# Altium PCB PCB1.PcbDoc (part 2 of 5) (continued)
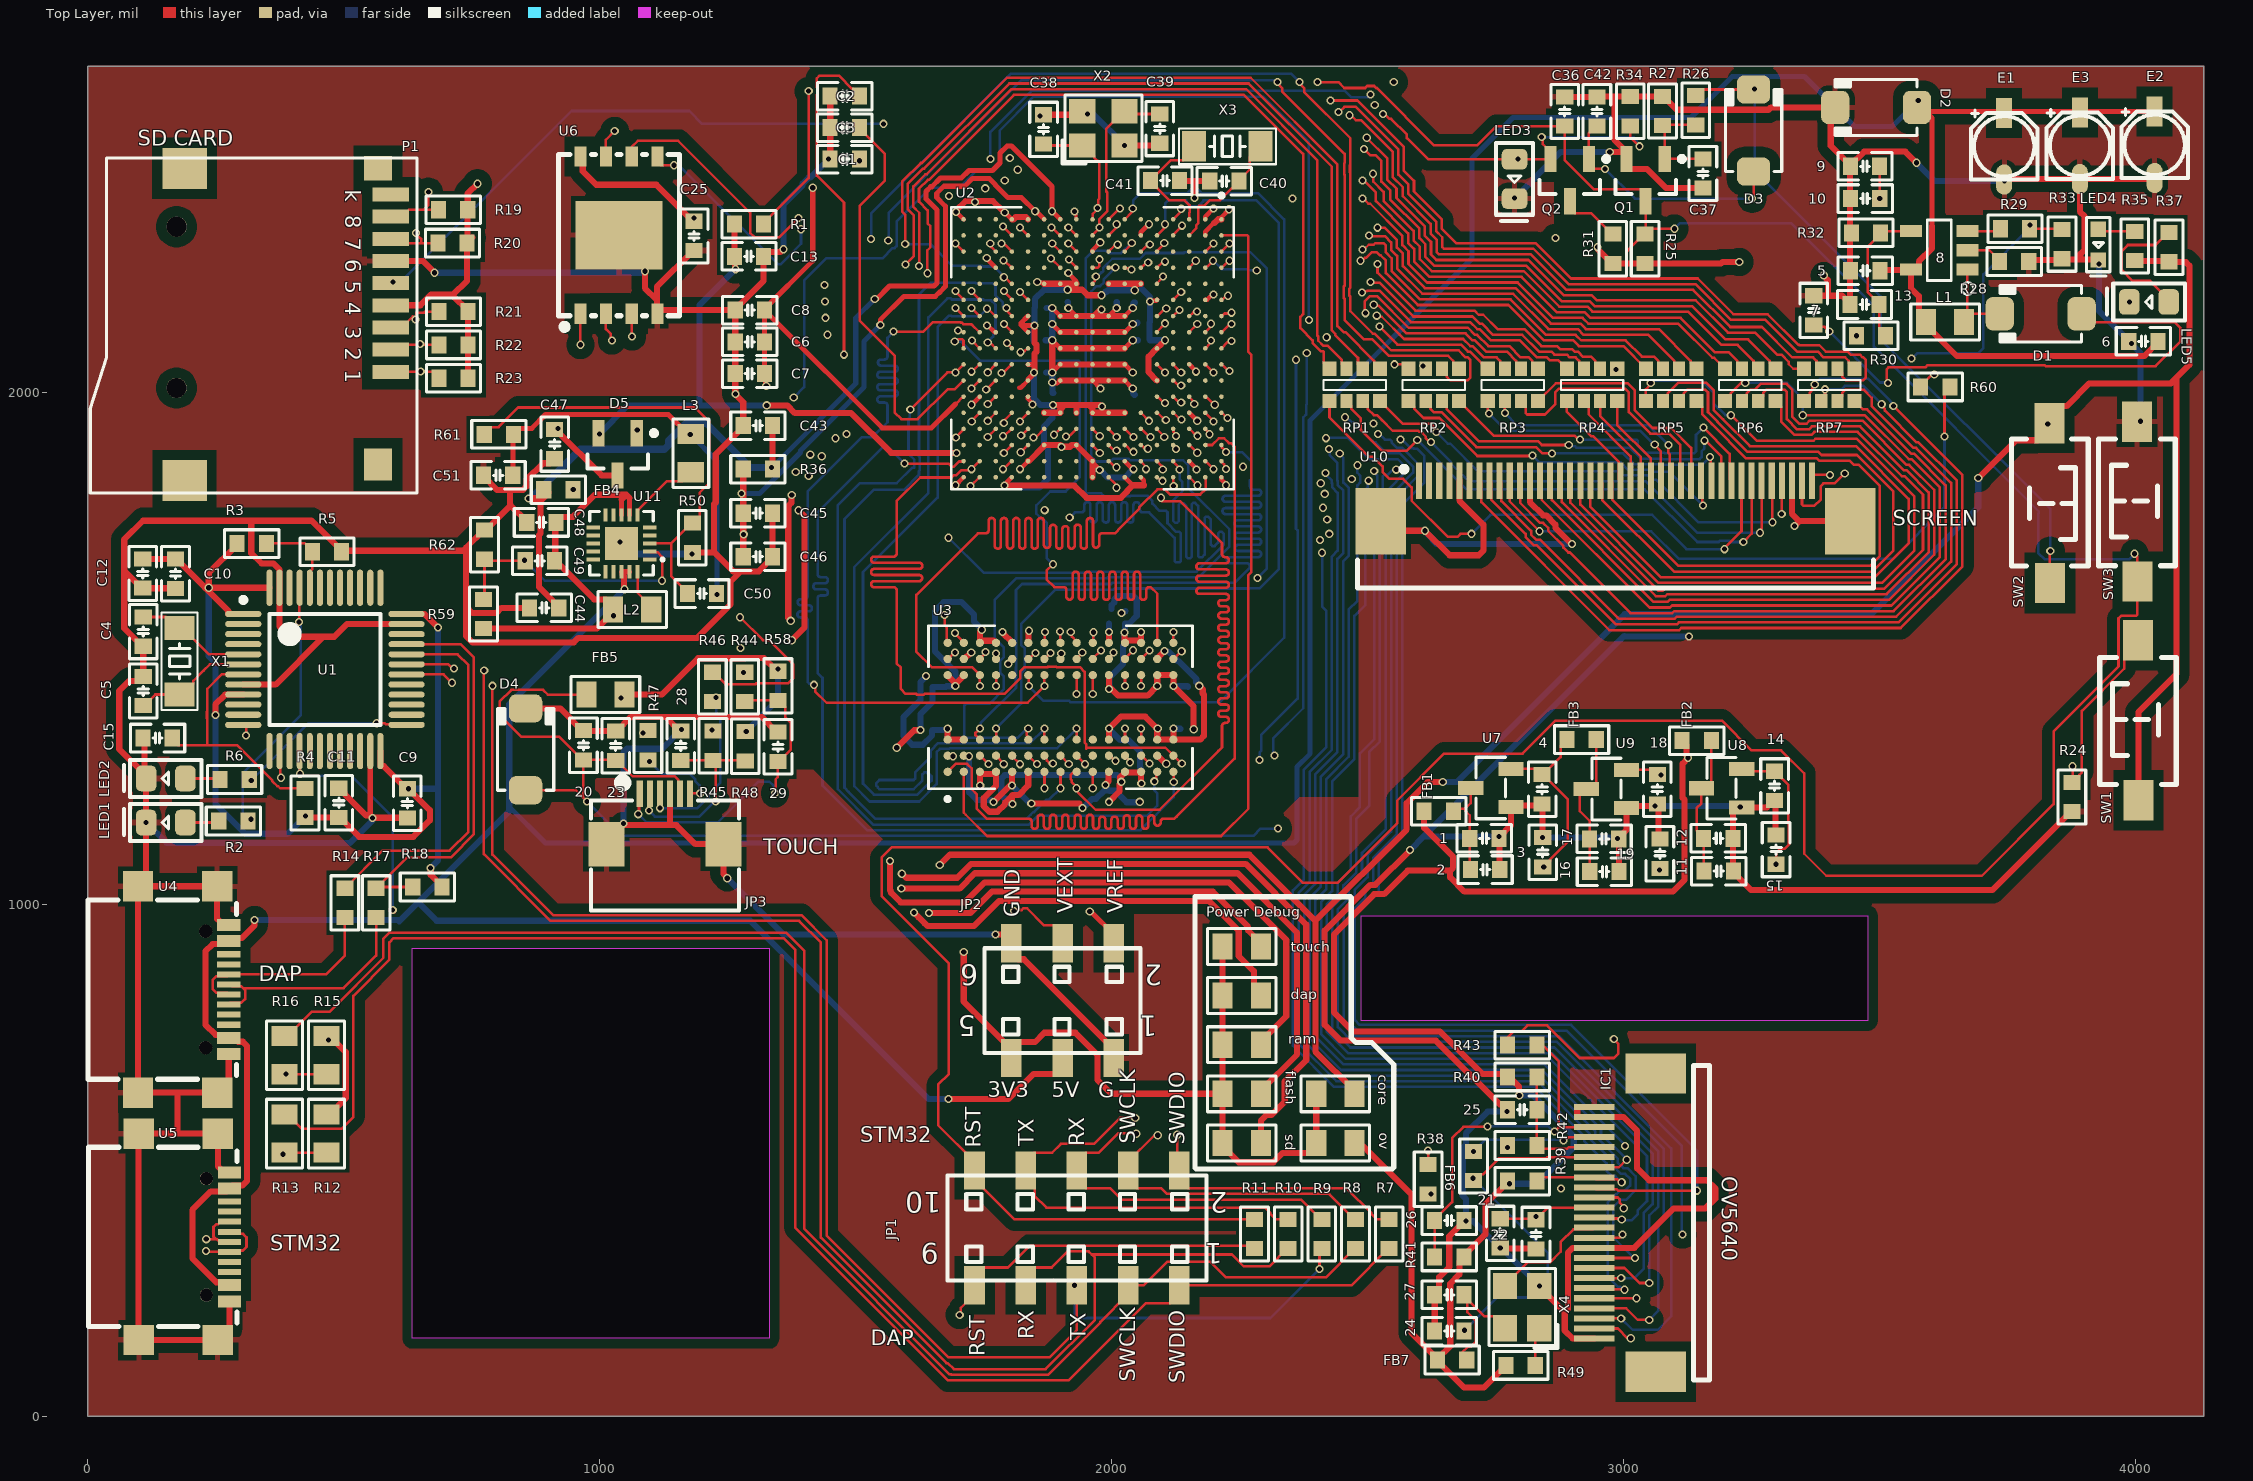
[diagram p0: Top Layer view]
## Nets (pads, with @x,y where several pads share a name; then routed paths per layer and width w, separated by ;. In a path a pad name is that pad's centre, name@x,y a point inside that pad or via, vN(x,y) a via of type N, cw(c..) or ccw(c..) an arc to the next point about the centre after c; other vN are vias at no path point) (continued)
"FMC_A1 / PF1": U2.G3 U3.G9 | length 1755.7
  Top Layer w5: U3.G9@1868.5,1510.98 1869,1511.48 1869,1531.56 v1(1869.5,1532.06) ; U2.G3@2025.47,2275.47 2025.47,2276.52 2039.1,2290.14 v1(2039.1,2292)
  Layer 2 w5: v1(1869.5,1532.06) 1869.5,1533.05 1884.95,1548.5 1904.5,1548.5 1927,1571 1927,1729.56 1917.89,1738.67 1917.89,1753.89 v1@1918,1754
  Bottom Layer w5: v1(1917.89,1755.65) 1928.24,1766 1938,1766 1940.5,1766 ccw(c1940.5,1772) 1946.5,1772 1946.5,1780 cw(c1952.5,1780) 1958.5,1780 1958.5,1752 ccw(c1964.5,1752) 1970.5,1752 1970.5,1780 cw(c1976.5,1780) 1982.5,1780 1982.5,1752 ccw(c1988.5,1752) 1994.5,1752 1994.5,1780 cw(c2000.5,1780) 2006.5,1780 2006.5,1752 ccw(c2012.5,1752) 2018.5,1752 2018.5,1780 cw(c2024.5,1780) 2030.5,1780 2030.5,1752 ccw(c2036.5,1752) 2042.5,1752 2042.5,1780 cw(c2048.5,1780) 2054.5,1780 2054.5,1772 ccw(c2060.5,1772) 2060.5,1766 2073,1766 2123,1716 2123,1671.21 2125.93,1668.28 2132.07,1668.28 2135,1671.21 2135,1725.07 2132.07,1728 2126,1728 2109,1745 2109,1766.07 2106.07,1769 2093.67,1769 2079.62,1783.04 2079.62,1788.38 2070,1798 2037,1798 2036.5,1797.5 1985.07,1797.5 1979.57,1803 1949,1803 1949,2262 1963.76,2276.76 1988.96,2276.76 1993.33,2272.39 2018.54,2272.39 2038.15,2292 v1(2039.1,2292)
"FMC_A2 / PF2": U2.G1 U3.F7 | length 1774.9
  Top Layer w5: U3.F7@1837.01,1447.99 1837.75,1447.25 1837.75,1427.67 v1(1838.5,1426.92) ; U2.G1@2025.47,2338.46 2039.12,2352.11 2039.12,2357.4 v1(2041.22,2359.5)
  Bottom Layer w5: v1(1838.5,1426.92) 1838.5,1425.43 1866.46,1397.46 1916.88,1397.46 1918.99,1395.35 2211.35,1395.35 2337,1521 2337,2338.27 2285.6,2389.67 2175.66,2389.67 2168.83,2396.5 2155.17,2396.5 2148.34,2389.67 2056.67,2389.67 2042,2375 2042,2360.28 v1(2041.22,2359.5)
"FMC_A3 / PF3": U2.H4 U3.F3 | length 1797.4
  Top Layer w5: U3.F3@1837.01,1322.01 1834.88,1324.14 1834.88,1329.85 1834.22,1330.51 1834.22,1337.74 1837.02,1340.54 v1(1837.01,1343.5) ; U2.H4@1993.98,2243.98 v1(2007.04,2244.01)
  Bottom Layer w5: v1(1837.01,1343.5) 1834.48,1343.47 1816.2,1325.2 1714.96,1325.2 1712.03,1328.12 1712.03,1389.04 1714.96,1391.97 1761.04,1391.97 1789.52,1420.44 1789.52,1444.93 1782.5,1451.95 1782.5,1476.45 1789.52,1483.47 1789.52,1501.85 1771.27,1520.1 1771.27,1594.8 1813.46,1637 1990.75,1637 1992.95,1639.2 2170.23,1639.2 2229.99,1698.96 2229.99,1732.95 2149.21,1813.73 2149.21,1858.01 2139.53,1867.69 2035.89,1867.69 2033.08,1870.5 2002.66,1870.5 1997.43,1865.27 1969.66,1865.27 1960.03,1874.91 1960.03,2197.81 1970.02,2207.8 1977.3,2207.8 1984.64,2215.14 1984.64,2221.54 v1@2007.07,2243.97
"FMC_A4 / PF4": U2.J5 U3.G1 | length 1810.1
  Top Layer w5: U3.G1@1868.75,1259.01 1868.75,1227.13 v1(1869,1226.88) ; U2.J5@1962.48,2212.48 1962.48,2213.52 1966.87,2217.91 1966.87,2224.62 v1(1968.97,2226.73)
  Layer 1 w5: v1(1869,1226.88) 1871.98,1226.88 1880.65,1218.2 1885.78,1218.2 1892.6,1211.38 1983.96,1211.38 1988.48,1215.91 2169.56,1215.91 2208.23,1254.58 2277.55,1323.9 2277.55,1628.81 2284.83,1636.09 v1(2284.83,1637.91)
  Bottom Layer w5: v1(1968.97,2226.73) 1971.95,2226.73 1979.83,2234.6 1980.7,2234.6 1983.62,2237.53 1983.62,2243.92 2001.09,2261.39 2054.98,2261.39 2066.26,2272.66 2140.33,2272.66 2141.75,2274.08 2270.92,2274.08 2303,2242 2303,1656.18 2284.83,1638.01 v1(2284.83,1637.91)
"FMC_A5 / PF5": U2.J4 U3.G2 | length 1786.9
  Top Layer w5: U3.G2@1868.5,1290.51 1868.5,1287.5 1873.16,1282.84 1873.16,1280.94 1877,1277.1 1882.9,1277.1 v1(1885,1275) ; U2.J4@1962.48,2243.98 1973.15,2243.98 1976.08,2246.91 v1@1976.08,2260.25
  Layer 2 w5: v1(1885,1275) 1899,1289 1908.77,1289 1909.77,1290 1930.92,1290 1978.5,1337.58 1978.5,1349.43 2002.23,1373.17 2119.17,1373.17 2125,1379 2125,1385.07 2127.93,1388 2133.07,1388 2136,1385.07 2136,1379 2141.83,1373.17 2147.07,1373.17 2150,1376.09 2150,1386 2152.93,1388.93 2157.07,1388.93 2162,1384 2162,1377.93 2164.93,1375 2189,1375 2208.23,1394.23 2284,1470 2284,1610 2268.33,1625.67 2268.33,1741.94 2321,1794.61 2321,2150.67 2262.2,2209.47 2262.2,2231.47 2260.5,2233.17 2260.5,2287.41 2238.41,2309.5 1998.11,2309.5 1995.18,2306.57 1995.18,2282.06 1995.63,2281.6 1995.63,2271.49 1992.1,2267.95 1986.76,2267.95 1979.07,2260.26 v1(1976.09,2260.26)
"FMC_A6 / PF12": U2.R7 U3.G3 | length 1799.5
  Top Layer w5: v1(1756.5,2163.73) 1758.22,2163.73 1772.46,2149.49 U2.R7@1773.5,2149.49 ; U3.G3@1868.5,1322.01 v1(1868.5,1343.5)
  Bottom Layer w5: v1(1756.5,2163.73) 1756.25,2163.73 1741.26,2148.74 1687.93,2148.74 1686.4,2150.26 1682.26,2150.26 1660,2128 1660,1795 1514.07,1649.07 1514.07,1235.93 1535.53,1214.47 1620.47,1214.47 1648,1242 1648,1250.07 1645.07,1253 1643,1253 1638.07,1257.93 1633.93,1257.93 1630,1254 1630,1242 1613,1225 1591.77,1225 1545.93,1225 1543,1227.93 1543,1229.14 1539.64,1232.5 1539.64,1236.64 1546,1243 1591.77,1243 1613.07,1243 1616,1245.93 1616,1258 1646.53,1288.53 1646.53,1300.53 1661.06,1315.06 1840.49,1315.06 1868.5,1343.08 v1(1868.5,1343.5)
"FMC_A7 / PF13": U2.P7 U3.H1 | length 1800.8
  Top Layer w5: v1(1794.5,2165.24) 1796.6,2163.13 1796.6,2157.96 1805,2149.57 U2.P7@1805,2149.49 ; v1(1900,1226.88) U3.H1@1900,1259.02
  Bottom Layer w5: v1(1794.5,2165.24) 1792.4,2167.34 1787.4,2167.34 1787.4,2175.5 1773,2189.9 1773,2208 1767.77,2213.23 1734.6,2213.23 1733.09,2214.74 1646.74,2214.74 1623.5,2191.5 1623.5,1875.34 1625.21,1873.63 1625.21,1848.37 1623.5,1846.66 1623.5,1839.5 1594,1810 1535,1810 1478,1753 1478,1228 1486,1220 1486,1219.56 1538.56,1167 1833.44,1167 1841.64,1175.2 1846.77,1180.32 1848.24,1180.32 1872.57,1204.65 1877.77,1204.65 v1(1900,1226.88)
"FMC_A8 / PF14": U2.P8 U3.H2 | length 1824.1
  Top Layer w5: v1(1789.5,2133.74) 1789.5,2133.62 1805,2118.12 U2.P8@1805,2117.99 ; U3.H2@1900,1290.51 1900.09,1290.51 1916.1,1274.5 v1(1916.19,1274.5)
  Layer 1 w5: v1(1789.5,2133.74) 1776.01,2147.23 1734.6,2147.23 1733.09,2148.74 1686,2148.74 1674,2160.74 1674,2206.07 1671.07,2209 1624,2209 1614.5,2209 cw(c1614.5,2215) 1608.5,2215 1608.5,2223 ccw(c1602.5,2223) 1596.5,2223 1596.5,2195 cw(c1590.5,2195) 1584.5,2195 1584.5,2223 ccw(c1578.5,2223) 1572.5,2223 1572.5,2195 cw(c1566.5,2195) 1560.5,2195 1560.5,2223 ccw(c1554.5,2223) 1548.5,2223 1548.5,2215 cw(c1542.5,2215) 1542.5,2209 1540,2209 1518.93,2209 1516,2206.07 1516,1390 1557,1349 1594,1349 1680.5,1262.5 1690.56,1262.5 1694.56,1258.5 1900.5,1258.5 1916.19,1274.19 v1(1916.19,1274.5)
"FMC_A9 / PF15": U2.R9 U3.J3 | length 1792.7
  Top Layer w5: v1(1757.76,2097.73) 1759.86,2095.63 1764.37,2095.63 U2.R9@1773.5,2086.5 ; U3.J3@1931.5,1322.01 v1(1931.5,1343.5)
  Bottom Layer w5: v1(1757.76,2097.73) 1757.76,2098.71 1768.23,2109.18 1768.23,2112.72 1773,2117.49 1773,2171.82 1764.59,2180.23 1750.92,2180.23 1749.42,2181.74 1687.93,2181.74 1685.67,2184 1679,2184 1642,2147 1642,1804 1497,1659 1497,1231 1527,1201 1591.77,1201 1624,1201 1658,1235 1658,1297.86 1664.2,1304.06 1682.55,1304.06 1683.55,1305.06 1893.48,1305.06 1931.5,1343.08 v1(1931.5,1343.5)
"FMC_A10 / PG0": U2.T8 U3.G7 | length 1781.5
  Top Layer w5: v1(1418.5,1429) 1420.6,1426.9 1420.6,1416.4 1443,1394 1835.58,1394 v1(1868.5,1426.92) 1868.5,1433.88 U3.G7@1868.5,1447.99 ; v1(1574,2119) 1632.13,2119 1650.66,2137.53 1704.19,2137.53 1705.16,2136.56 1707.39,2136.56 1710.76,2133.19 1725.31,2133.19 1726.26,2132.24 1727.01,2132.24 1741.26,2117.99 U2.T8@1742.01,2117.99
  Bottom Layer w5: v1(1418.5,1429) 1416.4,1431.1 1409.17,1431.1 1406,1434.28 1406,1552 1406,1554.5 ccw(c1400,1554.5) 1400,1560.5 1392,1560.5 cw(c1392,1566.5) 1392,1572.5 1408.44,1572.5 ccw(c1408.44,1578.5) 1408.44,1584.5 1392.55,1584.5 cw(c1392.55,1590.5) 1392.55,1596.5 1400,1596.5 ccw(c1400,1602.5) 1406,1602.5 1406,1691 1406,1807 1512,1913 1533,1913 1562,1942 1562,1972 1562,1974.5 ccw(c1556,1974.5) 1556,1980.5 1548,1980.5 cw(c1548,1986.5) 1548,1992.5 1576,1992.5 ccw(c1576,1998.5) 1576,2004.5 1548,2004.5 cw(c1548,2010.5) 1548,2016.5 1576,2016.5 ccw(c1576,2022.5) 1576,2028.5 1548,2028.5 cw(c1548,2034.5) 1548,2040.5 1576,2040.5 ccw(c1576,2046.5) 1576,2052.5 1549.44,2052.5 cw(c1549.44,2058.5) 1549.44,2064.5 1556,2064.5 ccw(c1556,2070.5) 1562,2070.5 1562,2095 1562,2107 v1(1574,2119)
"FMC_A11 / PG1": U2.U8 U3.H9 | length 1770.4
  Top Layer w5: v1(1699.59,2121.03) 1702.57,2121.03 1704.86,2118.73 1709.77,2118.73 U2.U8@1710.51,2117.99 ; v1(1898.99,1533) 1899.49,1532.49 1899.49,1511.49 U3.H9@1900,1510.98
  Layer 2 w5: v1(1699.59,2121.03) 1730.81,2121.03 1737.61,2114.23 1781.39,2114.23 1784.16,2117 1839,2117 1849.28,2106.72 1849.28,2064.65 1858.18,2055.75 1890.57,2055.75 1901.82,2044.51 1901.82,1969.04 1892.16,1959.37 1847.37,1959.37 1841,1953 1841,1936 1846.93,1930.07 1851.07,1930.07 1854,1933 1854,1945 1857,1948 1864.07,1948 1867,1945.07 1867,1933.93 1869.93,1931 1871,1931 1872.23,1929.77 1876.37,1929.77 1880,1933.39 1880,1945.07 1882.93,1948 1889,1948 1895,1942 1895,1933.31 1898.55,1929.77 1902.69,1929.77 1903.65,1930.73 1904.07,1930.73 1906,1932.65 1906,1949 1909,1952 1914,1952 1919,1947 1919,1934 1926.98,1926.02 1926.98,1907.39 1919.62,1900.03 1919.62,1888.13 1908.9,1877.4 1903.58,1877.4 1899,1872.82 1899,1866.93 1896.07,1864 1890.93,1864 1888,1866.93 1888,1875 1882,1881 1882,1889.07 1879.07,1892 1877.86,1892 1877.07,1892.79 1872.93,1892.79 1870,1889.86 1870,1879.86 1867.07,1876.93 1861,1876.93 1861,1892.02 1857.07,1895.95 1852.93,1895.95 1850,1893.02 1850,1876 1870,1856 1899,1856 1901,1854 1920,1854 1923.93,1850.07 1923.93,1845.93 1921,1843 1915,1843 1907,1835 1907,1828 1911,1824 1919,1824 1925.93,1817.07 1925.93,1812.93 1922,1809 1908,1809 1903.07,1804.07 1903.07,1799.93 1906,1797 1915,1797 1918,1794 1924.07,1794 1927,1791.07 1927,1786 1921,1780 1900,1780 1883.57,1796.43 1883.57,1800.57 1889,1806 1889,1813 1898.07,1822.07 1898.07,1842 1896,1842 1894.07,1843.93 1889.93,1843.93 1887,1841 1887,1827 1874,1814 1874,1810 1867,1803 1867,1801 1864,1798 1855.93,1798 1853,1800.93 1853,1808 1859,1814 1859,1816.07 1861.93,1819 1863,1819 1873,1829 1873,1843.07 1870.07,1846 1864,1846 1861.07,1843.07 1861.07,1834.33 1859.25,1834.33 1842,1817.08 1842,1786 1848.43,1779.57 1852.57,1779.57 1859.69,1786.69 1875.9,1786.69 1878.36,1784.23 1879.35,1784.23 1887.57,1776 1891,1776 1901.39,1765.61 1901.39,1739.61 1916,1725 1916,1580 1898,1562 1884.31,1562 1871.31,1549 1860,1549 1854,1543 1854,1519.48 1856.93,1516.56 1882.54,1516.56 v1(1898.99,1533)
"FMC_BA0 / PG4": U2.H14 U3.J7 | length 1810
  Top Layer w5: v1(1931.5,1410.85) 1931.5,1433.88 U3.J7@1931.5,1447.99 ; U2.H14@1993.98,1929.02 v1(2009.72,1913.27)
  Layer 1 w5: v1(1931.5,1410.85) 1932.61,1410.85 1943.01,1400.45 1946.55,1400.45 1954,1393 1974,1393 1986,1405 1991,1405 1997,1399 1997,1395.93 1999.93,1393 2007.07,1393 2010,1395.93 2010,1408.07 2012.93,1411 2021,1411 2024,1408 2024,1392 2030,1386 2035.07,1386 2038,1388.93 2038,1411.07 2040.93,1414 2047,1414 2053,1408 2053,1395 2055.93,1392.07 2060.07,1392.07 2064,1396 2064,1408 2069,1413 2074,1413 2078,1409 2078,1400.93 2080.93,1398 2087,1398 2092,1403 2092,1408.36 2094.93,1411.29 2100.29,1411.29 2105,1406.58 2105,1402 2108.93,1398.07 2113.07,1398.07 2116,1401 2116,1407 2118.93,1409.93 2123.07,1409.93 2128,1405 2128,1400 2132,1396 2134.83,1396 2141,1402.17 2141,1430.07 2143.93,1433 2150,1433 2154,1429 2154,1408 2157.07,1404.93 2157.07,1390.07 2160,1387.14 2162.93,1387.14 2170.07,1380 2174.21,1380 2184.07,1370.14 2191.07,1370.14 2194.53,1373.6 2194.53,1382.07 2191.6,1385 2186,1385 2179,1392 2171,1392 2166.07,1396.93 2166.07,1401.07 2170,1405 2184,1405 2193.53,1414.53 2193.53,1752.53 2232,1791 2232,1799.35 2229.07,1802.28 2213.28,1802.28 2193,1782 2185.74,1774.74 cw(c2181.5,1778.98) 2175.5,1778.98 2175.5,1792 ccw(c2169.5,1792) 2163.5,1792 2163.5,1765 cw(c2157.5,1765) 2151.5,1765 2151.5,1792 ccw(c2145.5,1792) 2139.5,1792 2139.5,1765 cw(c2133.5,1765) 2127.5,1765 2127.5,1792 ccw(c2121.5,1792) 2115.5,1792 2115.5,1774 cw(c2109.5,1774) 2109.5,1768 2085.71,1768 2079.62,1774.09 2079.62,1827.38 2074.98,1832.02 2073.22,1833.78 2066.78,1833.78 2062,1829 2062,1766 2058.07,1762.07 2053.93,1762.07 2050,1766 2050,1827 2045.07,1831.93 2040.93,1831.93 2038,1829 2038,1785.32 2035.07,1782.39 2028.92,1782.39 2026,1785.32 2026,1857.11 2026.22,1857.34 2026.22,1896.77 v1(2009.72,1913.27)
"FMC_BA1 / PG5": U2.G14 U3.H8 | length 1828.3
  Top Layer w5: U3.H8@1900,1479.49 1900.75,1480.24 1900.75,1489.22 v1(1901.5,1489.97) ; U2.G14@2025.47,1929.02 2026.22,1929.02 2041.97,1913.27 v1(2042.72,1913.27)
  Layer 1 w5: v1(1901.5,1489.97) 1903.6,1487.86 1903.6,1478.37 1889.76,1478.37 1886.95,1475.56 1821.56,1475.56 1817.07,1471.07 1817.07,1466.93 1820,1464 1873,1464 1874,1463 1901.07,1463 1904,1460.07 1904,1455.93 1901.07,1453 1821.93,1453 1819,1450.07 1819,1445.93 1825.93,1439 1828.66,1439 1832.08,1442.42 1842.58,1442.42 1843,1442 1861.66,1442 1862.08,1442.42 1878.58,1442.42 1884,1437 1884,1417 1876,1409 1873.93,1409 1873,1408.07 1873,1395 1879,1389 1914.07,1389 1917,1391.93 1917,1398.07 1914.07,1401 1894.93,1401 1892,1403.93 1892,1408.07 1894.93,1411 1897,1411 1900,1414 1910.07,1414 1913,1416.93 1913,1423.07 1910.07,1426 1899.93,1426 1897,1428.93 1897,1437.07 1899.93,1440 1906,1440 1907,1441 1913,1441 1924,1430 1929.07,1430 1932,1432.93 1932,1449.07 1934.93,1452 1941,1452 1946,1447 1946,1430.93 1948.93,1428 1958.07,1428 1961,1430.93 1961,1436 1962,1437 1962,1445.5 1964.93,1448.43 1969.07,1448.43 1969.5,1448 2070,1448 2075,1443 2170,1443 2182.53,1455.53 2182.53,1569.55 2177.07,1575 2160,1575 2151,1584 2151,1589.07 2153.93,1592 2176,1592 2181,1597 2181,1603.07 2179.07,1605 2151.43,1605 2147,1609.43 2147,1613.57 2149.93,1616.5 2172.57,1616.5 2176.09,1620.02 2177.02,1620.02 2182.53,1625.53 2182.53,1739.47 2174,1748 2039.44,1748 2029.44,1758 2020.86,1758 2017.93,1755.07 2017.93,1750.93 2015,1748 2004.11,1748 1972.56,1779.56 1972.56,1788.07 1975.49,1791 1991,1791 1994,1794 1994,1800 1990,1804 1973.93,1804 1971,1806.93 1971,1811.07 1973.93,1814 1975,1814 1978,1817 1989,1817 1991.93,1819.93 1991.93,1824.07 1988,1828 1988,1836.94 1992.98,1841.92 1992.98,1864.22 1993.22,1864.46 1993.22,1920.22 2002.77,1929.77 2024.72,1929.77 2041.22,1913.27 v1(2042.72,1913.27)
"FMC_D0 / PD14": U2.P16 U3.R8 | length 1832.7
  Top Layer w5: v1(1787.75,1850.28) 1788.5,1850.28 1804.25,1866.02 U2.P16@1805,1866.02 ; U3.R8@2120.47,1479.49 2120.98,1479.49 2136.18,1494.69 v1(2136.69,1494.69)
  Layer 1 w5: v1(1787.75,1850.28) 1787.75,1847.3 1793.25,1841.8 1793.25,1838.88 1802,1830.13 1806.8,1825.33 1806.8,1811.66 1739.15,1744 1731.11,1744 1728.11,1741 1628,1741 1607,1720 1607,1655.93 1609.93,1653 1620.07,1653 1623,1655.93 1623,1711 1626,1714 1634,1714 1637,1711 1637,1610 1618,1591 1618,1585 1617,1584 1617,1524.07 1620.93,1520.14 1625.07,1520.14 1628,1523.07 1628,1576 1632,1580 1632,1587 1649,1604 1649,1711.07 1651.93,1714 1661.07,1714 1664,1711.07 1664,1593.93 1661.07,1591 1655,1591 1645,1581 1645,1564.93 1647.93,1562 1655.16,1562 1661.21,1555.95 1661.21,1551.81 1656.4,1547 1640.93,1547 1638,1544.07 1638,1533.93 1640.93,1531 1664.15,1531 1670.08,1525.07 1670.08,1520.93 1667.15,1518 1641,1518 1638,1515 1638,1505.93 1640.93,1503 1675,1503 1678,1500 1678,1495 1676.93,1493.93 1676.93,1492.93 1673,1489 1673,1484.86 1683.44,1474.41 1780.44,1474.41 1789.52,1483.49 1789.52,1487.15 1801.69,1499.32 1810.73,1499.32 1822.91,1511.5 1907.5,1511.5 1917,1502 1917,1479.12 1934.12,1462 1962.8,1462 1964.3,1460.5 2019.42,1460.5 2021.92,1463 2039,1463 2056.9,1480.9 2056.9,1505.9 2063,1512 2120,1512 2136.69,1495.31 v1(2136.69,1494.69)
"FMC_D1 / PD15": U2.P15 U3.N7 | length 1771.4
  Top Layer w5: v1(1789.25,1881.77) U2.P15@1805,1897.52 ; v1(2057.48,1426.92) 2057.48,1433.88 U3.N7@2057.48,1447.99
  Layer 2 w5: v1(1789.25,1881.77) 1789.25,1878.8 1794.75,1873.3 1794.75,1870.69 1804.25,1861.2 1804.25,1836.78 1807.26,1833.77 1807.26,1805.26 1767,1765 1653,1765 1621,1733 1622,1732 1622,1629 1616.54,1623.54 1616.54,1618 1619,1618 1624.93,1612.07 1624.93,1607.93 1622,1605 1609,1605 1606,1602 1606,1594.93 1608.93,1592 1621,1592 1626,1587 1626,1581 1623,1578 1607.93,1578 1605,1575.07 1605,1566 1608,1563 1621,1563 1626,1558 1626,1551.93 1622.07,1548 1621,1548 1608,1535 1608,1506 1610.93,1503.07 1615.07,1503.07 1624,1512 1624,1530 1628,1534 1634.07,1534 1637,1531.07 1637,1507 1607,1477 1607,1468 1609.93,1465.07 1614.07,1465.07 1649,1500 1649,1509 1654,1514 1654,1532.07 1657.93,1536 1668.07,1536 1673,1531.07 1673,1518 1661.46,1506.46 1661.46,1493.46 1621,1453 1610,1453 1605,1448 1605,1439.93 1607.93,1437 1621.76,1437 1625.69,1433.07 1625.69,1428.93 1622.76,1426 1610,1426 1605,1421 1605,1415 1608.58,1411.42 1626.07,1411.42 1656.05,1441.39 1656.05,1441.95 1683.09,1469 1688,1469 1691.93,1465.07 1691.93,1460.93 1652,1421 1652,1415.93 1656.51,1411.42 1665.42,1411.42 1670,1416 1670,1424.34 1693.66,1448 1705,1448 1714,1439 1714,1421 1723.58,1411.42 1783.27,1411.42 1795,1423.15 1795,1433.42 1797.93,1436.35 1803.07,1436.35 1806,1433.42 1806,1416 1810.58,1411.42 1874.92,1411.42 1899.86,1436.35 1965.49,1436.35 1975.53,1446.39 2038.01,1446.39 v1(2057.48,1426.92)
"FMC_D2 / PD0": U2.D13 U3.R9 | length 1769.3
  Top Layer w5: U2.D13@2119.96,1960.51 2121,1960.51 2133.94,1947.58 v1(2136.41,1947.58) ; U3.R9@2120.47,1510.98 v1(2120.47,1532.06)
  Layer 2 w5: v1(2120.47,1532.06) 2117.5,1532.06 2110.55,1539 2086.5,1539 2075.5,1550 2048,1550 2045.07,1552.93 2045.07,1557.07 2051,1563 2081,1563 2081.93,1562.07 2086.07,1562.07 2089,1565 2089,1571.07 2086.07,1574 2054,1574 2049.07,1578.93 2049.07,1583.07 2053,1587 2083.07,1587 2094,1597.93 2094,1600.43 ccw(c2088,1600.43) 2088,1606.43 2042.99,1606.43 cw(c2042.99,1612.43) 2042.99,1618.43 2134,1618.43 ccw(c2134,1624.43) 2134,1630.43 2042.99,1630.43 cw(c2042.99,1636.43) 2042.99,1642.43 2134,1642.43 ccw(c2134,1648.43) 2134,1654.43 2042.99,1654.43 cw(c2042.99,1660.43) 2042.99,1666.43 2134,1666.43 ccw(c2134,1672.43) 2134,1678.43 2042.99,1678.43 cw(c2042.99,1684.43) 2042.99,1690.43 2134,1690.43 ccw(c2134,1696.43) 2134,1702.43 2042.99,1702.43 cw(c2042.99,1708.43) 2042.99,1714.43 2134,1714.43 ccw(c2134,1720.43) 2134,1726.43 2042.99,1726.43 cw(c2042.99,1732.43) 2042.99,1738.43 2088,1738.43 ccw(c2088,1744.43) 2094,1744.43 2094,1763 2095,1764 2095,1764.07 2097.93,1767 2118,1767 2137.55,1786.55 2137.55,1824.13 2128.6,1833.07 2125.87,1833.07 2116.2,1842.74 2116.2,1856.86 2142.08,1882.74 2142.08,1921.91 2135.71,1928.28 2135.71,1946.88 v1(2136.41,1947.58)
"FMC_D3 / PD1": U2.E12 U3.N8 | length 1797.1
  Top Layer w5: U3.N8@2057.48,1479.49 v1(2074,1496) ; U2.E12@2088.46,1992.01 2089.51,1992.01 2102.2,1979.32 v1(2104.21,1979.32)
  Layer 1 w5: v1(2074,1496) 2074,1476 2093,1457 2159.07,1457 2171.53,1469.45 2171.53,1544 2133,1582.53 2133,1607 2133,1609.5 ccw(c2127,1609.5) 2127,1615.5 2058.42,1615.5 cw(c2058.42,1621.5) 2058.42,1627.5 2165.53,1627.5 ccw(c2165.53,1633.5) 2165.53,1639.5 2077,1639.5 cw(c2077,1645.5) 2077,1651.5 2165.53,1651.5 ccw(c2165.53,1657.5) 2165.53,1663.5 2077,1663.5 cw(c2077,1669.5) 2077,1675.5 2165.53,1675.5 ccw(c2165.53,1681.5) 2165.53,1687.5 2077,1687.5 cw(c2077,1693.5) 2077,1699.5 2165.53,1699.5 ccw(c2165.53,1705.5) 2165.53,1711.5 2139,1711.5 cw(c2139,1717.5) 2133,1717.5 2133,1731 2127,1737 1999.44,1737 1981,1755.44 1981,1755.56 1959.98,1776.57 1959.98,1961.98 1964.5,1966.5 1964.5,1979.83 1974.17,1989.5 1987.83,1989.5 1997.5,1979.83 1997.5,1976.26 2047.84,1976.26 2050.9,1979.32 v1(2104.21,1979.32)
"FMC_D4 / PE7": U2.U9 U3.P9 | length 1757.9
  Top Layer w5: v1(1693.26,2099.72) 1696.24,2099.72 1701.04,2104.53 1707.58,2104.53 1710.51,2101.6 U2.U9@1710.51,2086.5 ; v1(1885.36,1664.5) 1872.95,1652.08 1872.95,1635.05 1888,1620 1889.54,1620 1905.5,1620 cw(c1905.5,1614) 1911.5,1614 1911.5,1601.4 ccw(c1917.5,1601.4) 1923.5,1601.4 1923.5,1644 cw(c1929.5,1644) 1935.5,1644 1935.5,1600.8 ccw(c1941.5,1600.8) 1947.5,1600.8 1947.5,1644 cw(c1953.5,1644) 1959.5,1644 1959.5,1600.8 ccw(c1965.5,1600.8) 1971.5,1600.8 1971.5,1644 cw(c1977.5,1644) 1983.5,1644 1983.5,1600.8 ccw(c1989.5,1600.8) 1995.5,1600.8 1995.5,1644 cw(c2001.5,1644) 2007.5,1644 2007.5,1600.8 ccw(c2013.5,1600.8) 2019.5,1600.8 2019.5,1644 cw(c2025.5,1644) 2031.5,1644 2031.5,1600.8 ccw(c2037.5,1600.8) 2043.5,1600.8 2043.5,1644 cw(c2049.5,1644) 2055.5,1644 2055.5,1600.8 ccw(c2061.5,1600.8) 2067.5,1600.8 2067.5,1614 cw(c2073.5,1614) 2073.5,1620 2076,1620 2088.95,1607.05 U3.P9@2088.95,1511.01
  Bottom Layer w5: v1(1693.26,2099.72) 1705.46,2099.72 1742.79,2062.38 1935.02,2062.38 1937.95,2059.45 1937.95,1834.72 1909.95,1806.72 1879.95,1806.72 1852.56,1779.33 1852.56,1763.36 1864.6,1751.32 1867.65,1751.32 1872.95,1746.02 1872.95,1676.92 v1(1885.36,1664.5)
"FMC_D5 / PE8": U2.T9 U3.M8 | length 1830.1
  Top Layer w5: v1(1727.01,2101.5) U2.T9@1742.01,2086.5 ; U3.M8@2025.98,1479.49 2025.98,1481.98 2027.62,1481.98 2041.4,1495.77 v1(2041.4,1496.62)
  Layer 1 w5: v1(1727.01,2101.5) 1755.5,2073 1793.24,2073 1803.86,2062.38 1832.87,2062.38 1837.24,2066.75 1929.69,2066.75 1936.98,2059.45 1936.98,1926.62 1937.98,1925.62 1937.98,1902.84 1936.98,1901.84 1936.98,1768.46 1941,1764.44 1941,1746 1927.93,1732.93 1927.93,1652.93 1927.07,1652.07 1927.07,1647.93 1935.39,1639.61 1935.39,1629.93 1929.46,1624 1909.93,1624 1907,1621.07 1907,1607.93 1909.93,1605 1955.07,1605 1958,1602.07 1958,1596 1954,1592 1888.93,1592 1886,1594.93 1886,1607 1883.98,1609.02 1882,1611 1874.93,1611 1872,1608.07 1872,1593.93 1869.07,1591 1863.93,1591 1861,1593.93 1861,1605.5 1856,1610.5 1850.93,1610.5 1848,1607.57 1848,1592 1843,1587 1836,1587 1833,1590 1833,1606.5 1829.07,1610.43 1824.93,1610.43 1822,1607.5 1822,1593.93 1817.07,1589 1812.93,1589 1810,1591.93 1810,1605.5 1805,1610.5 1800.93,1610.5 1798,1607.57 1798,1597 1796,1595 1796,1584 1801.93,1578.07 1951,1578.07 1951,1577 1953.93,1574.07 1953.93,1569.93 1950,1566 1785,1566 1781.28,1562.28 1781.28,1558.14 1789.21,1550.21 1879.44,1550.21 1880.64,1549 1931,1549 1935.46,1544.54 1935.46,1518 1927,1509.54 1927,1483.26 1938.26,1472 1966.94,1472 1968.44,1470.5 2015.28,1470.5 v1(2041.4,1496.62)
"FMC_D6 / PE9": U2.P9 U3.M7 | length 1817.6
  Top Layer w5: v1(1795.41,2096.5) 1795.41,2096.29 1805,2086.7 U2.P9@1805,2086.5 ; v1(2026,1426.98) U3.M7@2025.98,1447.99
  Layer 2 w5: v1(1795.41,2096.5) 1827.5,2096.5 1838.28,2085.72 1838.28,2052.24 1828.83,2042.79 1828.83,1962.69 1825.9,1959.76 1813.91,1959.76 1811.15,1957 1771.63,1957 1767.37,1961.26 1742.91,1961.26 1741.41,1959.76 1706.17,1959.76 1704.66,1961.26 1687.93,1961.26 1686.19,1963 1676,1963 1650,1989 1605.36,1989 1577,1960.64 1577,1855.92 1595,1837.92 1595,1783 1595,1771.5 ccw(c1601,1771.5) 1601,1765.5 cw(c1601,1759.5) 1601,1753.5 1586.08,1753.5 ccw(c1586.08,1747.5) 1586.08,1741.5 1604,1741.5 cw(c1604,1735.5) 1604,1729.5 1583,1729.5 ccw(c1583,1723.5) 1583,1717.5 1604,1717.5 cw(c1604,1711.5) 1604,1705.5 1583,1705.5 ccw(c1583,1699.5) 1583,1693.5 1604,1693.5 cw(c1604,1687.5) 1604,1681.5 1583,1681.5 ccw(c1583,1675.5) 1583,1669.5 1604,1669.5 cw(c1604,1663.5) 1604,1657.5 1583,1657.5 ccw(c1583,1651.5) 1583,1645.5 1604,1645.5 cw(c1604,1639.5) 1604,1633.5 1583,1633.5 ccw(c1583,1627.5) 1583,1621.5 1589,1621.5 cw(c1589,1615.5) 1595,1615.5 1595,1613 1595,1594.8 1595,1410 1603.58,1401.42 1879.07,1401.42 1904,1426.35 1969.63,1426.35 1979.67,1436.39 2013.6,1436.39 2023.02,1426.98 v1(2026,1426.98)
"FMC_D7 / PE10": U2.N9 U3.L8 | length 1821.9
  Top Layer w5: v1(1821.78,2078.88) 1823.89,2080.99 1829.94,2080.99 1835.45,2086.5 U2.N9@1836.5,2086.5 ; U3.L8@1994.49,1479.49 1994.49,1481.23 2003.4,1490.15 v1(2003.4,1491.89)
  Layer 1 w5: v1(1821.78,2078.88) 1823.89,2080.99 1833.42,2080.99 1835.64,2083.21 1839.78,2083.21 1843.99,2079 1940,2079 1947.98,2071.02 1947.98,1931.17 1948.98,1930.17 1948.98,1898.28 1947.98,1897.28 1947.98,1773.02 1970,1751 1970,1733 1970,1730.5 ccw(c1976,1730.5) 1976,1724.5 2054,1724.5 cw(c2054,1718.5) 2054,1712.5 1952.46,1712.5 ccw(c1952.46,1706.5) 1952.46,1700.5 2054,1700.5 cw(c2054,1694.5) 2054,1688.5 1952.46,1688.5 ccw(c1952.46,1682.5) 1952.46,1676.5 2054,1676.5 cw(c2054,1670.5) 2054,1664.5 1952.46,1664.5 ccw(c1952.46,1658.5) 1952.46,1652.5 2054,1652.5 cw(c2054,1646.5) 2054,1640.5 1952.46,1640.5 ccw(c1952.46,1634.5) 1952.46,1628.5 2035.42,1628.5 cw(c2035.42,1622.5) 2035.42,1616.5 1976,1616.5 ccw(c1976,1610.5) 1970,1610.5 1970,1594.8 1970,1559 1947.98,1536.98 1947.98,1508.29 1960.04,1496.23 1960.04,1493.04 1972.58,1480.5 1989.34,1480.5 2000.73,1491.89 v1(2003.4,1491.89)
"FMC_D8 / PE11": U2.P10 U3.L2 | length 1800
  Top Layer w5: v1(1784.58,2038.31) 1787.26,2038.31 1803.96,2055 U2.P10@1805,2055 ; U3.L2@1994.49,1290.51 1995.96,1290.51 2005.99,1280.48 v1(2007.46,1280.48)
  Layer 2 w5: v1(1784.58,2038.31) 1784.58,2041.28 1775.48,2050.38 1775.48,2054.67 1771.15,2059 1659.81,2059 1566,1965.19 1566,1884.85 1560.5,1879.34 1560.5,1794.93 1563.42,1792 1569.07,1792 1572,1794.93 1572,1835.36 1574.93,1838.29 1579.07,1838.29 1582.18,1835.18 1582.18,1769.18 1566,1753 1566,1643.37 1566,1607.36 ccw(c1572,1607.36) 1572,1601.36 1578,1601.36 cw(c1578,1595.36) 1578,1589.36 1566.5,1589.36 ccw(c1566.5,1583.36) 1566.5,1577.36 1579,1577.36 cw(c1579,1571.36) 1579,1565.36 1566.5,1565.36 ccw(c1566.5,1559.36) 1566.5,1553.36 1579,1553.36 cw(c1579,1547.36) 1579,1541.36 1566.5,1541.36 ccw(c1566.5,1535.36) 1566.5,1529.36 1579,1529.36 cw(c1579,1523.36) 1579,1517.36 1566.5,1517.36 ccw(c1566.5,1511.36) 1566.5,1505.36 1579,1505.36 cw(c1579,1499.36) 1579,1493.36 1566.5,1493.36 ccw(c1566.5,1487.36) 1566.5,1481.36 1579,1481.36 cw(c1579,1475.36) 1579,1469.36 1566.5,1469.36 ccw(c1566.5,1463.36) 1566.5,1457.36 1579,1457.36 cw(c1579,1451.36) 1579,1445.36 1572,1445.36 ccw(c1572,1439.36) 1566,1439.36 1566,1424.86 1599.44,1391.42 1801.58,1391.42 1821.5,1371.5 1821.5,1333.5 1837,1318 1837,1269.08 1847.43,1258.65 1894.32,1258.65 1894.67,1259 1941.56,1259 1942.06,1258.5 1962.28,1258.5 1984.26,1280.48 v1(2007.46,1280.48)